# KiCad board SparkFun_BMV080_panelized.kicad_pcb (continued)
## Routing (per net, layer and track width the routed paths; a pad name or vN(x,y) marks a point on that pad's centre or on a via; arc(x,y) is an arc through that point) (continued)
Net-(JP1-A): length 488.6
  Top w0.2: v1(113.67,117.78) R1#42.2 ; v1(113.67,104.58) R1#25.2 ; v1(138.3,91.38) R1#46.2 ; v1(64.41,117.78) R1#22.2 ; v1(39.78,64.98) R1#5.2 ; v1(64.41,51.78) R1#20.2 ; v1(39.78,12.19) R1#15.2 ; v1(113.67,78.19) R1.2 ; v1(15.15,64.98) R1#51.2 ; v1(89.04,104.58) R1#33.2 ; v1(15.15,38.58) R1#53.2 ; v1(113.67,51.78) R1#35.2 ; v1(138.3,51.78) R1#43.2 ; v1(15.15,51.78) R1#48.2 ; v1(15.15,78.19) R1#49.2 ; v1(64.41,64.98) R1#3.2 ; v1(113.67,12.19) R1#39.2 ; v1(39.78,38.58) R1#12.2 ; v1(89.04,117.78) R1#27.2 ; v1(64.41,91.38) R1#6.2 ; v1(64.41,78.19) R1#21.2 ; v1(113.67,91.38) R1#36.2 ; v1(15.15,25.39) R1#50.2 ; v1(89.04,38.58) R1#7.2 ; v1(138.3,64.98) R1#45.2 ; v1(15.15,104.58) R1#8.2 ; v1(89.04,51.78) R1#32.2 ; v1(15.15,12.19) R1#54.2 ; v1(138.3,38.58) R1#26.2 ; v1(138.3,117.78) R1#47.2 ; v1(39.78,25.39) R1#10.2 ; v1(39.78,78.19) R1#9.2 ; v1(89.04,12.19) R1#23.2 ; v1(64.41,25.39) R1#18.2 ; v1(15.15,91.38) R1#52.2 ; v1(89.04,64.98) R1#37.2 ; v1(39.78,104.58) R1#16.2 ; v1(113.67,64.98) R1#38.2 ; v1(138.3,12.19) R1#29.2 ; v1(113.67,38.58) R1#41.2 ; v1(64.41,104.58) R1#4.2 ; v1(39.78,51.78) R1#14.2 ; v1(15.15,117.78) R1#13.2 ; v1(64.41,12.19) R1#2.2 ; v1(89.04,91.38) R1#31.2 ; v1(138.3,25.39) R1#28.2 ; v1(89.04,25.39) R1#24.2 ; v1(39.78,117.78) R1#17.2 ; v1(39.78,91.38) R1#11.2 ; v1(138.3,104.58) R1#30.2 ; v1(138.3,78.19) R1#44.2 ; v1(113.67,25.39) R1#34.2 ; v1(89.04,78.19) R1#40.2 ; v1(64.41,38.58) R1#19.2
  Top w0.203: v1(17.45,52.04) 17.46,52.04 18.25,52.84 18.25,54.5 v1(18.25,54.51) ; v1(92.14,67.71) 92.14,67.7 92.14,66.03 91.35,65.24 v1(91.34,65.24) ; v1(42.08,118.04) 42.09,118.04 42.88,118.83 42.88,120.5 v1(42.88,120.51) ; v1(141.4,94.11) 141.4,94.1 141.4,92.44 140.61,91.64 v1(140.6,91.64) ; v1(91.34,104.84) 91.35,104.84 92.14,105.64 92.14,107.3 v1(92.14,107.31) ; v1(42.08,52.04) 42.09,52.04 42.88,52.84 42.88,54.5 v1(42.88,54.51) ; v1(141.4,41.31) 141.4,41.3 141.4,39.64 140.61,38.84 v1(140.6,38.84) ; v1(66.71,38.84) 66.72,38.84 67.51,39.64 67.51,41.3 v1(67.51,41.31) ; v1(116.77,94.11) 116.77,94.1 116.77,92.44 115.98,91.64 v1(115.97,91.64) ; v1(17.45,118.04) 17.46,118.04 18.25,118.83 18.25,120.5 v1(18.25,120.51) ; v1(91.34,38.84) 91.35,38.84 92.14,39.64 92.14,41.3 v1(92.14,41.31) ; v1(42.88,41.31) 42.88,41.3 42.88,39.64 42.09,38.84 v1(42.08,38.84) ; v1(141.4,120.51) 141.4,120.5 141.4,118.83 140.61,118.04 v1(140.6,118.04) ; v1(141.4,28.11) 141.4,28.1 141.4,26.44 140.61,25.64 v1(140.6,25.64) ; v1(66.71,52.04) 66.72,52.04 67.51,52.84 67.51,54.5 v1(67.51,54.51) ; v1(42.88,67.71) 42.88,67.7 42.88,66.03 42.09,65.24 v1(42.08,65.24) ; v1(115.97,78.44) 115.98,78.44 116.77,79.23 116.77,80.9 v1(116.77,80.91) ; v1(66.71,12.44) 66.72,12.44 67.51,13.23 67.51,14.9 v1(67.51,14.91) ; v1(140.6,78.44) 140.61,78.44 141.4,79.23 141.4,80.9 v1(141.4,80.91) ; v1(116.77,41.31) 116.77,41.3 116.77,39.64 115.98,38.84 v1(115.97,38.84) ; v1(17.45,65.24) 17.46,65.24 18.25,66.03 18.25,67.7 v1(18.25,67.71) ; v1(91.34,52.04) 91.35,52.04 92.14,52.84 92.14,54.5 v1(92.14,54.51) ; v1(42.08,25.64) 42.09,25.64 42.88,26.44 42.88,28.1 v1(42.88,28.11) ; v1(66.71,91.64) 66.72,91.64 67.51,92.44 67.51,94.1 v1(67.51,94.11) ; v1(115.97,25.64) 115.98,25.64 116.77,26.44 116.77,28.1 v1(116.77,28.11) ; v1(116.77,107.31) 116.77,107.3 116.77,105.64 115.98,104.84 v1(115.97,104.84) ; v1(140.6,12.44) 140.61,12.44 141.4,13.23 141.4,14.9 v1(141.4,14.91) ; v1(67.51,107.31) 67.51,107.3 67.51,105.64 66.72,104.84 v1(66.71,104.84) ; v1(66.71,65.24) 66.72,65.24 67.51,66.03 67.51,67.7 v1(67.51,67.71) ; v1(42.88,107.31) 42.88,107.3 42.88,105.64 42.09,104.84 v1(42.08,104.84) ; v1(116.77,120.51) 116.77,120.5 116.77,118.83 115.98,118.04 v1(115.97,118.04) ; v1(92.14,28.11) 92.14,28.1 92.14,26.44 91.35,25.64 v1(91.34,25.64) ; v1(17.45,91.64) 17.46,91.64 18.25,92.44 18.25,94.1 v1(18.25,94.11) ; v1(92.14,80.91) 92.14,80.9 92.14,79.23 91.35,78.44 v1(91.34,78.44) ; v1(140.6,104.84) 140.61,104.84 141.4,105.64 141.4,107.3 v1(141.4,107.31) ; v1(67.51,120.51) 67.51,120.5 67.51,118.83 66.72,118.04 v1(66.71,118.04) ; v1(92.14,120.51) 92.14,120.5 92.14,118.83 91.35,118.04 v1(91.34,118.04) ; v1(140.6,52.04) 140.61,52.04 141.4,52.84 141.4,54.5 v1(141.4,54.51) ; v1(17.45,104.84) 17.46,104.84 18.25,105.64 18.25,107.3 v1(18.25,107.31) ; v1(67.51,80.91) 67.51,80.9 67.51,79.23 66.72,78.44 v1(66.71,78.44) ; v1(18.25,41.31) 18.25,41.3 18.25,39.64 17.46,38.84 v1(17.45,38.84) ; v1(92.14,14.91) 92.14,14.9 92.14,13.23 91.35,12.44 v1(91.34,12.44) ; v1(18.25,28.11) 18.25,28.1 18.25,26.44 17.46,25.64 v1(17.45,25.64) ; v1(66.71,25.64) 66.72,25.64 67.51,26.44 67.51,28.1 v1(67.51,28.11) ; v1(116.77,14.91) 116.77,14.9 116.77,13.23 115.98,12.44 v1(115.97,12.44) ; v1(42.08,12.44) 42.09,12.44 42.88,13.23 42.88,14.9 v1(42.88,14.91) ; v1(116.77,54.51) 116.77,54.5 116.77,52.84 115.98,52.04 v1(115.97,52.04) ; v1(92.14,94.11) 92.14,94.1 92.14,92.44 91.35,91.64 v1(91.34,91.64) ; v1(115.97,65.24) 115.98,65.24 116.77,66.03 116.77,67.7 v1(116.77,67.71) ; v1(140.6,65.24) 140.61,65.24 141.4,66.03 141.4,67.7 v1(141.4,67.71) ; v1(42.88,80.91) 42.88,80.9 42.88,79.23 42.09,78.44 v1(42.08,78.44) ; v1(18.25,80.91) 18.25,80.9 18.25,79.23 17.46,78.44 v1(17.45,78.44) ; v1(17.45,12.44) 17.46,12.44 18.25,13.23 18.25,14.9 v1(18.25,14.91) ; v1(42.08,91.64) 42.09,91.64 42.88,92.44 42.88,94.1 v1(42.88,94.11)
  Bottom w0.2: 41.32,91.43 39.83,91.43 v1(39.78,91.38) ; v1(89.04,117.78) 89.08,117.83 90.58,117.83 ; 139.84,104.63 138.35,104.63 v1(138.3,104.58) ; 65.95,117.83 64.45,117.83 v1(64.41,117.78) ; 16.69,104.63 15.2,104.63 v1(15.15,104.58) ; 139.84,51.83 138.35,51.83 v1(138.3,51.78) ; 90.58,65.03 89.08,65.03 v1(89.04,64.98) ; 65.95,25.43 64.45,25.43 v1(64.41,25.39) ; 16.69,65.03 15.2,65.03 v1(15.15,64.98) ; v1(64.41,38.58) 64.45,38.63 65.95,38.63 ; v1(113.67,64.98) 113.72,65.03 115.21,65.03 ; v1(39.78,117.78) 39.83,117.83 41.32,117.83 ; 41.32,78.23 39.83,78.23 v1(39.78,78.19) ; 90.58,104.63 89.08,104.63 v1(89.04,104.58) ; v1(15.15,78.19) 15.2,78.23 16.69,78.23 ; v1(15.15,12.19) 15.2,12.23 16.69,12.23 ; v1(89.04,78.19) 89.08,78.23 90.58,78.23 ; v1(89.04,38.58) 89.08,38.63 90.58,38.63 ; 115.21,51.83 113.72,51.83 v1(113.67,51.78) ; v1(113.67,78.19) 113.72,78.23 115.21,78.23 ; v1(64.41,91.38) 64.45,91.43 65.95,91.43 ; 90.58,51.83 89.08,51.83 v1(89.04,51.78) ; 115.21,38.63 113.72,38.63 v1(113.67,38.58) ; v1(39.78,51.78) 39.83,51.83 41.32,51.83 ; 115.21,91.43 113.72,91.43 v1(113.67,91.38) ; 139.84,91.43 138.35,91.43 v1(138.3,91.38) ; v1(39.78,38.58) 39.83,38.63 41.32,38.63 ; v1(113.67,25.39) 113.72,25.43 115.21,25.43 ; v1(89.04,12.19) 89.08,12.23 90.58,12.23 ; v1(138.3,117.78) 138.35,117.83 139.84,117.83 ; v1(39.78,104.58) 39.83,104.63 41.32,104.63 ; v1(138.3,78.19) 138.35,78.23 139.84,78.23 ; 65.95,78.23 64.45,78.23 v1(64.41,78.19) ; 41.32,65.03 39.83,65.03 v1(39.78,64.98) ; 16.69,117.83 15.2,117.83 v1(15.15,117.78) ; 41.32,12.23 39.83,12.23 v1(39.78,12.19) ; 16.69,25.43 15.2,25.43 v1(15.15,25.39) ; v1(64.41,51.78) 64.45,51.83 65.95,51.83 ; 139.84,25.43 138.35,25.43 v1(138.3,25.39) ; v1(15.15,38.58) 15.2,38.63 16.69,38.63 ; v1(138.3,12.19) 138.35,12.23 139.84,12.23 ; 115.21,12.23 113.72,12.23 v1(113.67,12.19) ; 65.95,104.63 64.45,104.63 v1(64.41,104.58) ; 65.95,12.23 64.45,12.23 v1(64.41,12.19) ; 41.32,25.43 39.83,25.43 v1(39.78,25.39) ; v1(15.15,51.78) 15.2,51.83 16.69,51.83 ; v1(113.67,104.58) 113.72,104.63 115.21,104.63 ; v1(138.3,38.58) 138.35,38.63 139.84,38.63 ; v1(138.3,64.98) 138.35,65.03 139.84,65.03 ; 65.95,65.03 64.45,65.03 v1(64.41,64.98) ; v1(15.15,91.38) 15.2,91.43 16.69,91.43 ; v1(89.04,91.38) 89.08,91.43 90.58,91.43 ; v1(89.04,25.39) 89.08,25.43 90.58,25.43 ; v1(113.67,117.78) 113.72,117.83 115.21,117.83
  Bottom w0.203: v1(140.6,52.04) 140.39,51.83 139.84,51.83 ; 142.83,96.57 142.83,95.76 141.78,94.71 141.57,94.71 141.4,94.54 v1(141.4,94.11) ; 16.69,51.83 17.24,51.83 v1(17.45,52.04) ; 19.68,56.97 19.68,56.16 18.63,55.11 18.42,55.11 18.25,54.94 v1(18.25,54.51) ; v1(18.25,41.31) 18.25,41.74 18.42,41.91 18.63,41.91 19.68,42.96 19.68,43.77 ; v1(140.6,91.64) 140.39,91.43 139.84,91.43 ; 19.68,122.97 19.68,122.16 18.63,121.11 18.42,121.11 18.25,120.94 v1(18.25,120.51) ; v1(18.25,107.31) 18.25,107.74 18.42,107.91 18.63,107.91 19.68,108.96 19.68,109.77 ; 41.32,25.43 41.87,25.43 v1(42.08,25.64) ; v1(42.88,94.11) 42.88,94.54 43.05,94.71 43.26,94.71 44.31,95.76 44.31,96.57 ; v1(66.71,91.64) 66.5,91.43 65.95,91.43 ; 115.21,91.43 115.76,91.43 v1(115.97,91.64) ; v1(42.88,28.11) 42.88,28.54 43.05,28.71 43.26,28.71 44.31,29.76 44.31,30.57 ; 115.21,38.63 115.76,38.63 v1(115.97,38.84) ; 65.95,12.23 66.5,12.23 v1(66.71,12.44) ; v1(42.88,41.31) 42.88,41.74 43.05,41.91 43.26,41.91 44.31,42.96 44.31,43.77 ; v1(92.14,54.51) 92.14,54.94 92.31,55.11 92.52,55.11 93.57,56.16 93.57,56.97 ; 139.84,104.63 140.39,104.63 v1(140.6,104.84) ; v1(91.34,118.04) 91.13,117.83 90.58,117.83 ; 142.83,17.37 142.83,16.56 141.78,15.51 141.57,15.51 141.4,15.34 v1(141.4,14.91) ; 65.95,38.63 66.5,38.63 v1(66.71,38.84) ; v1(67.51,94.11) 67.51,94.54 67.68,94.71 67.89,94.71 68.94,95.76 68.94,96.57 ; 65.95,104.63 66.5,104.63 v1(66.71,104.84) ; 139.84,78.23 140.39,78.23 v1(140.6,78.44) ; v1(66.71,65.24) 66.5,65.03 65.95,65.03 ; v1(116.77,120.51) 116.77,120.94 116.94,121.11 117.15,121.11 118.2,122.16 118.2,122.97 ; 118.2,56.97 118.2,56.16 117.15,55.11 116.94,55.11 116.77,54.94 v1(116.77,54.51) ; v1(42.08,91.64) 41.87,91.43 41.32,91.43 ; v1(42.08,52.04) 41.87,51.83 41.32,51.83 ; 93.57,70.17 93.57,69.36 92.52,68.31 92.31,68.31 92.14,68.14 v1(92.14,67.71) ; v1(42.88,120.51) 42.88,120.94 43.05,121.11 43.26,121.11 44.31,122.16 44.31,122.97 ; v1(140.6,38.84) 140.39,38.63 139.84,38.63 ; 19.68,83.37 19.68,82.56 18.63,81.51 18.42,81.51 18.25,81.34 v1(18.25,80.91) ; v1(141.4,80.91) 141.4,81.34 141.57,81.51 141.78,81.51 142.83,82.56 142.83,83.37 ; v1(91.34,65.24) 91.13,65.03 90.58,65.03 ; 118.2,70.17 118.2,69.36 117.15,68.31 116.94,68.31 116.77,68.14 v1(116.77,67.71) ; 139.84,12.23 140.39,12.23 v1(140.6,12.44) ; 142.83,30.57 142.83,29.76 141.78,28.71 141.57,28.71 141.4,28.54 v1(141.4,28.11) ; v1(17.45,12.44) 17.24,12.23 16.69,12.23 ; v1(17.45,118.04) 17.24,117.83 16.69,117.83 ; v1(67.51,14.91) 67.51,15.34 67.68,15.51 67.89,15.51 68.94,16.56 68.94,17.37 ; 90.58,91.43 91.13,91.43 v1(91.34,91.64) ; 41.32,117.83 41.87,117.83 v1(42.08,118.04) ; v1(66.71,78.44) 66.5,78.23 65.95,78.23 ; 16.69,65.03 17.24,65.03 v1(17.45,65.24) ; 93.57,109.77 93.57,108.96 92.52,107.91 92.31,107.91 92.14,107.74 v1(92.14,107.31) ; v1(67.51,28.11) 67.51,28.54 67.68,28.71 67.89,28.71 68.94,29.76 68.94,30.57 ; v1(17.45,91.64) 17.24,91.43 16.69,91.43 ; v1(67.51,107.31) 67.51,107.74 67.68,107.91 67.89,107.91 68.94,108.96 68.94,109.77 ; 90.58,104.63 91.13,104.63 v1(91.34,104.84) ; v1(18.25,28.11) 18.25,28.54 18.42,28.71 18.63,28.71 19.68,29.76 19.68,30.57 ; v1(116.77,80.91) 116.77,81.34 116.94,81.51 117.15,81.51 118.2,82.56 118.2,83.37 ; v1(92.14,14.91) 92.14,15.34 92.31,15.51 92.52,15.51 93.57,16.56 93.57,17.37 ; v1(17.45,104.84) 17.24,104.63 16.69,104.63 ; 93.57,30.57 93.57,29.76 92.52,28.71 92.31,28.71 92.14,28.54 v1(92.14,28.11) ; 118.2,30.57 118.2,29.76 117.15,28.71 116.94,28.71 116.77,28.54 v1(116.77,28.11) ; v1(42.08,78.44) 41.87,78.23 41.32,78.23 ; v1(42.08,65.24) 41.87,65.03 41.32,65.03 ; v1(67.51,67.71) 67.51,68.14 67.68,68.31 67.89,68.31 68.94,69.36 68.94,70.17 ; v1(42.88,67.71) 42.88,68.14 43.05,68.31 43.26,68.31 44.31,69.36 44.31,70.17 ; 118.2,17.37 118.2,16.56 117.15,15.51 116.94,15.51 116.77,15.34 v1(116.77,14.91) ; 68.94,43.77 68.94,42.96 67.89,41.91 67.68,41.91 67.51,41.74 v1(67.51,41.31) ; v1(115.97,52.04) 115.76,51.83 115.21,51.83 ; 139.84,65.03 140.39,65.03 v1(140.6,65.24) ; 65.95,117.83 66.5,117.83 v1(66.71,118.04) ; v1(141.4,54.51) 141.4,54.94 141.57,55.11 141.78,55.11 142.83,56.16 142.83,56.97 ; 142.83,43.77 142.83,42.96 141.78,41.91 141.57,41.91 141.4,41.74 v1(141.4,41.31) ; v1(92.14,94.11) 92.14,94.54 92.31,94.71 92.52,94.71 93.57,95.76 93.57,96.57 ; v1(42.88,107.31) 42.88,107.74 43.05,107.91 43.26,107.91 44.31,108.96 44.31,109.77 ; v1(42.08,38.84) 41.87,38.63 41.32,38.63 ; 44.31,83.37 44.31,82.56 43.26,81.51 43.05,81.51 42.88,81.34 v1(42.88,80.91) ; v1(67.51,120.51) 67.51,120.94 67.68,121.11 67.89,121.11 68.94,122.16 68.94,122.97 ; v1(91.34,78.44) 91.13,78.23 90.58,78.23 ; 118.2,96.57 118.2,95.76 117.15,94.71 116.94,94.71 116.77,94.54 v1(116.77,94.11) ; 19.68,70.17 19.68,69.36 18.63,68.31 18.42,68.31 18.25,68.14 v1(18.25,67.71) ; 90.58,51.83 91.13,51.83 v1(91.34,52.04) ; v1(141.4,67.71) 141.4,68.14 141.57,68.31 141.78,68.31 142.83,69.36 142.83,70.17 ; v1(116.77,41.31) 116.77,41.74 116.94,41.91 117.15,41.91 118.2,42.96 118.2,43.77 ; 90.58,25.43 91.13,25.43 v1(91.34,25.64) ; v1(141.4,107.31) 141.4,107.74 141.57,107.91 141.78,107.91 142.83,108.96 142.83,109.77 ; 93.57,122.97 93.57,122.16 92.52,121.11 92.31,121.11 92.14,120.94 v1(92.14,120.51) ; 115.21,104.63 115.76,104.63 v1(115.97,104.84) ; v1(141.4,120.51) 141.4,120.94 141.57,121.11 141.78,121.11 142.83,122.16 142.83,122.97 ; 41.32,104.63 41.87,104.63 v1(42.08,104.84) ; 65.95,51.83 66.5,51.83 v1(66.71,52.04) ; 16.69,78.23 17.24,78.23 v1(17.45,78.44) ; 16.69,38.63 17.24,38.63 v1(17.45,38.84) ; v1(42.88,14.91) 42.88,15.34 43.05,15.51 43.26,15.51 44.31,16.56 44.31,17.37 ; v1(115.97,118.04) 115.76,117.83 115.21,117.83 ; 41.32,12.23 41.87,12.23 v1(42.08,12.44) ; 118.2,109.77 118.2,108.96 117.15,107.91 116.94,107.91 116.77,107.74 v1(116.77,107.31) ; 93.57,83.37 93.57,82.56 92.52,81.51 92.31,81.51 92.14,81.34 v1(92.14,80.91) ; 115.21,65.03 115.76,65.03 v1(115.97,65.24) ; 93.57,43.77 93.57,42.96 92.52,41.91 92.31,41.91 92.14,41.74 v1(92.14,41.31) ; v1(91.34,38.84) 91.13,38.63 90.58,38.63 ; v1(66.71,25.64) 66.5,25.43 65.95,25.43 ; 68.94,56.97 68.94,56.16 67.89,55.11 67.68,55.11 67.51,54.94 v1(67.51,54.51) ; v1(18.25,94.11) 18.25,94.54 18.42,94.71 18.63,94.71 19.68,95.76 19.68,96.57 ; 68.94,83.37 68.94,82.56 67.89,81.51 67.68,81.51 67.51,81.34 v1(67.51,80.91) ; v1(17.45,25.64) 17.24,25.43 16.69,25.43 ; v1(91.34,12.44) 91.13,12.23 90.58,12.23 ; 115.21,12.23 115.76,12.23 v1(115.97,12.44) ; 19.68,17.37 19.68,16.56 18.63,15.51 18.42,15.51 18.25,15.34 v1(18.25,14.91) ; v1(42.88,54.51) 42.88,54.94 43.05,55.11 43.26,55.11 44.31,56.16 44.31,56.97 ; v1(115.97,25.64) 115.76,25.43 115.21,25.43 ; v1(140.6,118.04) 140.39,117.83 139.84,117.83 ; v1(115.97,78.44) 115.76,78.23 115.21,78.23 ; 139.84,25.43 140.39,25.43 v1(140.6,25.64)
Net-(JP1-C): length 491.3
  Top w0.203: U1#48.7 37.7,68.54 39.43,70.27 42.14,70.27 v1(43.26,69.16) ; v1(141.78,121.96) 140.66,123.07 137.95,123.07 136.22,121.34 U1#20.7 ; v1(141.78,55.96) 140.66,57.07 137.95,57.07 136.22,55.34 U1#24.7 ; U1#51.7 37.7,121.34 39.43,123.07 42.14,123.07 v1(43.26,121.96) ; U1#23.7 136.22,42.14 137.95,43.87 140.66,43.87 v1(141.78,42.76) ; U1#45.7 62.33,94.94 64.06,96.67 66.77,96.67 v1(67.89,95.56) ; U1#50.7 37.7,94.94 39.43,96.67 42.14,96.67 v1(43.26,95.56) ; v1(92.52,121.96) 91.4,123.07 88.69,123.07 86.96,121.34 U1#11.7 ; U1#31.7 13.07,68.54 14.8,70.27 17.51,70.27 v1(18.63,69.16) ; U1#26.7 136.22,28.94 137.95,30.67 140.66,30.67 v1(141.78,29.56) ; v1(92.52,29.56) 91.4,30.67 88.69,30.67 86.96,28.94 U1#4.7 ; U1#27.7 136.22,94.94 137.95,96.67 140.66,96.67 v1(141.78,95.56) ; U1#8.7 62.33,121.34 64.06,123.07 66.77,123.07 v1(67.89,121.96) ; v1(18.63,108.76) 17.51,109.87 14.8,109.87 13.07,108.14 U1#37.7 ; 110.25,94.94 111.59,94.94 113.32,96.67 116.03,96.67 v1(117.15,95.56) ; v1(67.89,29.56) 66.77,30.67 64.06,30.67 62.33,28.94 U1#38.7 ; v1(43.26,55.96) 42.14,57.07 39.43,57.07 37.7,55.34 U1#44.7 ; v1(43.26,16.36) 42.14,17.47 39.43,17.47 37.7,15.74 U1#35.7 ; 110.25,121.34 111.59,121.34 113.32,123.07 116.03,123.07 v1(117.15,121.96) ; v1(18.63,16.36) 17.51,17.47 14.8,17.47 13.07,15.74 U1#54.7 ; U1#47.7 13.07,121.34 14.8,123.07 17.51,123.07 v1(18.63,121.96) ; v1(43.26,108.76) 42.14,109.87 39.43,109.87 37.7,108.14 U1#53.7 ; U1#6.7 86.96,81.74 88.69,83.47 91.4,83.47 v1(92.52,82.36) ; U1#16.7 86.96,42.14 88.69,43.87 91.4,43.87 v1(92.52,42.76) ; U1#17.7 86.96,94.94 88.69,96.67 91.4,96.67 v1(92.52,95.56) ; v1(43.26,82.36) 42.14,83.47 39.43,83.47 37.7,81.74 U1#49.7 ; U1#29.7 13.07,42.14 14.8,43.87 17.51,43.87 v1(18.63,42.76) ; v1(18.63,29.56) 17.51,30.67 14.8,30.67 13.07,28.94 U1#34.7 ; v1(117.15,82.36) 116.03,83.47 113.32,83.47 111.59,81.74 110.25,81.74 ; U1#25.7 136.22,15.74 137.95,17.47 140.66,17.47 v1(141.78,16.36) ; v1(92.52,16.36) 91.4,17.47 88.69,17.47 86.96,15.74 U1#9.7 ; U1#30.7 13.07,55.34 14.8,57.07 17.51,57.07 v1(18.63,55.96) ; U1#5.7 86.96,55.34 88.69,57.07 91.4,57.07 v1(92.52,55.96) ; v1(141.78,108.76) 140.66,109.87 137.95,109.87 136.22,108.14 U1#21.7 ; v1(117.15,69.16) 116.03,70.27 113.32,70.27 111.59,68.54 110.25,68.54 ; v1(92.52,108.76) 91.4,109.87 88.69,109.87 86.96,108.14 U1#10.7 ; v1(67.89,55.96) 66.77,57.07 64.06,57.07 62.33,55.34 U1#40.7 ; v1(117.15,29.56) 116.03,30.67 113.32,30.67 111.59,28.94 110.25,28.94 ; U1#22.7 136.22,68.54 137.95,70.27 140.66,70.27 v1(141.78,69.16) ; v1(18.63,95.56) 17.51,96.67 14.8,96.67 13.07,94.94 U1#33.7 ; U1#28.7 136.22,81.74 137.95,83.47 140.66,83.47 v1(141.78,82.36) ; v1(117.15,42.76) 116.03,43.87 113.32,43.87 111.59,42.14 110.25,42.14 ; v1(117.15,108.76) 116.03,109.87 113.32,109.87 111.59,108.14 110.25,108.14 ; U1#41.7 62.33,81.74 64.06,83.47 66.77,83.47 v1(67.89,82.36) ; U1#46.7 37.7,42.14 39.43,43.87 42.14,43.87 v1(43.26,42.76) ; v1(43.26,29.56) 42.14,30.67 39.43,30.67 37.7,28.94 U1#36.7 ; v1(67.89,42.76) 66.77,43.87 64.06,43.87 62.33,42.14 U1#39.7 ; U1#32.7 13.07,81.74 14.8,83.47 17.51,83.47 v1(18.63,82.36) ; v1(117.15,55.96) 116.03,57.07 113.32,57.07 111.59,55.34 110.25,55.34 ; U1#7.7 86.96,68.54 88.69,70.27 91.4,70.27 v1(92.52,69.16) ; v1(67.89,16.36) 66.77,17.47 64.06,17.47 62.33,15.74 U1#52.7 ; U1#42.7 62.33,108.14 64.06,109.87 66.77,109.87 v1(67.89,108.76) ; v1(67.89,69.16) 66.77,70.27 64.06,70.27 62.33,68.54 U1#43.7 ; 110.25,15.74 111.59,15.74 113.32,17.47 116.03,17.47 v1(117.15,16.36)
  Bottom w0.203: v1(18.63,95.56) 18.64,95.57 18.64,96.57 ; v1(92.52,55.96) 92.53,55.97 92.53,56.97 ; v1(18.63,16.36) 18.64,16.37 18.64,17.37 ; 43.27,56.97 43.27,55.97 v1(43.26,55.96) ; v1(18.63,29.56) 18.64,29.57 18.64,30.57 ; 43.27,109.77 43.27,108.77 v1(43.26,108.76) ; v1(43.26,29.56) 43.27,29.57 43.27,30.57 ; 117.16,56.97 117.16,55.97 v1(117.15,55.96) ; v1(117.15,29.56) 117.16,29.57 117.16,30.57 ; v1(117.15,69.16) 117.16,69.17 117.16,70.17 ; v1(92.52,82.36) 92.53,82.37 92.53,83.37 ; 141.79,83.37 141.79,82.37 v1(141.78,82.36) ; 67.9,43.77 67.9,42.77 v1(67.89,42.76) ; 67.9,30.57 67.9,29.57 v1(67.89,29.56) ; v1(117.15,95.56) 117.16,95.57 117.16,96.57 ; v1(67.89,55.96) 67.9,55.97 67.9,56.97 ; v1(43.26,82.36) 43.27,82.37 43.27,83.37 ; 43.27,70.17 43.27,69.17 v1(43.26,69.16) ; 117.16,122.97 117.16,121.97 v1(117.15,121.96) ; v1(18.63,108.76) 18.64,108.77 18.64,109.77 ; 67.9,83.37 67.9,82.37 v1(67.89,82.36) ; 18.64,43.77 18.64,42.77 v1(18.63,42.76) ; 67.9,70.17 67.9,69.17 v1(67.89,69.16) ; v1(67.89,108.76) 67.9,108.77 67.9,109.77 ; v1(141.78,108.76) 141.79,108.77 141.79,109.77 ; v1(43.26,95.56) 43.27,95.57 43.27,96.57 ; v1(43.26,42.76) 43.27,42.77 43.27,43.77 ; v1(92.52,16.36) 92.53,16.37 92.53,17.37 ; v1(92.52,108.76) 92.53,108.77 92.53,109.77 ; 117.16,109.77 117.16,108.77 v1(117.15,108.76) ; 18.64,70.17 18.64,69.17 v1(18.63,69.16) ; 141.79,122.97 141.79,121.97 v1(141.78,121.96) ; v1(18.63,55.96) 18.64,55.97 18.64,56.97 ; 141.79,56.97 141.79,55.97 v1(141.78,55.96) ; v1(92.52,121.96) 92.53,121.97 92.53,122.97 ; 67.9,17.37 67.9,16.37 v1(67.89,16.36) ; v1(92.52,69.16) 92.53,69.17 92.53,70.17 ; 141.79,17.37 141.79,16.37 v1(141.78,16.36) ; v1(18.63,121.96) 18.64,121.97 18.64,122.97 ; 117.16,43.77 117.16,42.77 v1(117.15,42.76) ; 92.53,30.57 92.53,29.57 v1(92.52,29.56) ; 92.53,43.77 92.53,42.77 v1(92.52,42.76) ; 117.16,17.37 117.16,16.37 v1(117.15,16.36) ; v1(67.89,95.56) 67.9,95.57 67.9,96.57 ; 43.27,17.37 43.27,16.37 v1(43.26,16.36) ; v1(117.15,82.36) 117.16,82.37 117.16,83.37 ; v1(67.89,121.96) 67.9,121.97 67.9,122.97 ; 18.64,83.37 18.64,82.37 v1(18.63,82.36) ; 141.79,96.57 141.79,95.57 v1(141.78,95.56) ; v1(43.26,121.96) 43.27,121.97 43.27,122.97 ; 141.79,30.57 141.79,29.57 v1(141.78,29.56) ; 141.79,70.17 141.79,69.17 v1(141.78,69.16) ; v1(141.78,42.76) 141.79,42.77 141.79,43.77 ; 92.53,96.57 92.53,95.57 v1(92.52,95.56)
Net-(JP2-A): length 244.7
  Top w0.2: v1(112.16,11.03) 111.65,11.54 R2#40.2 ; v1(87.53,37.43) 87.02,37.94 R2#38.2 ; v1(136.79,90.23) 136.28,90.74 R2#48.2 ; v1(112.16,50.63) 111.65,51.14 R2#42.2 ; R2#21.2 62.39,37.94 v1(62.9,37.43) ; R2#36.2 87.02,24.74 v1(87.53,24.23) ; v1(112.16,103.43) 111.65,103.94 R2#26.2 ; R2#28.2 87.02,77.54 v1(87.53,77.03) ; v1(136.79,37.43) 136.28,37.94 R2#47.2 ; R2#2.2 37.76,37.94 v1(38.27,37.43) ; v1(13.64,116.63) 13.13,117.14 R2#13.2 ; v1(62.9,116.63) 62.39,117.14 R2#37.2 ; v1(13.64,90.23) 13.13,90.74 R2#16.2 ; v1(112.16,90.23) 111.65,90.74 R2#41.2 ; R2#15.2 37.76,11.54 v1(38.27,11.03) ; v1(13.64,50.63) 13.13,51.14 R2#10.2 ; v1(62.9,103.43) 62.39,103.94 R2#18.2 ; v1(62.9,50.63) 62.39,51.14 R2#23.2 ; R2#29.2 87.02,64.34 v1(87.53,63.83) ; v1(38.27,90.23) 37.76,90.74 R2#5.2 ; v1(38.27,50.63) 37.76,51.14 R2#8.2 ; R2#20.2 62.39,24.74 v1(62.9,24.23) ; R2#50.2 136.28,77.54 v1(136.79,77.03) ; v1(38.27,103.43) 37.76,103.94 R2#6.2 ; v1(136.79,50.63) 136.28,51.14 R2#52.2 ; R2#44.2 136.28,24.74 v1(136.79,24.23) ; v1(87.53,11.03) 87.02,11.54 R2#34.2 ; R2#49.2 111.65,117.14 v1(112.16,116.63) ; R2#30.2 87.02,117.14 v1(87.53,116.63) ; R2#53.2 136.28,64.34 v1(136.79,63.83) ; R2.2 13.13,103.94 v1(13.64,103.43) ; v1(136.79,103.43) 136.28,103.94 R2#51.2 ; v1(13.64,24.23) 13.13,24.74 R2#4.2 ; v1(87.53,90.23) 87.02,90.74 R2#27.2 ; R2#19.2 62.39,77.54 v1(62.9,77.03) ; R2#12.2 13.13,77.54 v1(13.64,77.03) ; v1(38.27,77.03) 37.76,77.54 R2#9.2 ; v1(38.27,116.63) 37.76,117.14 R2#7.2 ; v1(87.53,103.43) 87.02,103.94 R2#35.2 ; v1(38.27,24.23) 37.76,24.74 R2#17.2 ; R2#45.2 136.28,11.54 v1(136.79,11.03) ; v1(38.27,63.83) 37.76,64.34 R2#3.2 ; v1(62.9,63.83) 62.39,64.34 R2#24.2 ; R2#43.2 111.65,77.54 v1(112.16,77.03) ; v1(136.79,116.63) 136.28,117.14 R2#46.2 ; v1(13.64,37.43) 13.13,37.94 R2#14.2 ; v1(13.64,63.83) 13.13,64.34 R2#11.2 ; v1(87.53,50.63) 87.02,51.14 R2#39.2 ; R2#54.2 13.13,11.54 v1(13.64,11.03) ; v1(112.16,24.23) 111.65,24.74 R2#32.2 ; R2#33.2 111.65,37.94 v1(112.16,37.43) ; R2#22.2 62.39,11.54 v1(62.9,11.03) ; v1(112.16,63.83) 111.65,64.34 R2#31.2 ; v1(62.9,90.23) 62.39,90.74 R2#25.2
  Bottom w0.203: v1(38.27,11.03) 38.27,11.08 38.99,11.8 38.99,14.01 ; 38.99,106.41 38.99,104.2 38.27,103.48 v1(38.27,103.43) ; v1(13.64,103.43) 13.64,103.48 14.36,104.2 14.36,106.41 ; v1(112.16,103.43) 112.16,103.48 112.88,104.2 112.88,106.41 ; v1(112.16,116.63) 112.16,116.68 112.88,117.4 112.88,119.61 ; v1(112.16,11.03) 112.16,11.08 112.88,11.8 112.88,14.01 ; 63.62,14.01 63.62,11.8 62.9,11.08 v1(62.9,11.03) ; 137.51,119.61 137.51,117.4 136.79,116.68 v1(136.79,116.63) ; 112.88,80.01 112.88,77.8 112.16,77.08 v1(112.16,77.03) ; v1(136.79,90.23) 136.79,90.28 137.51,91 137.51,93.21 ; v1(87.53,63.83) 87.53,63.88 88.25,64.6 88.25,66.81 ; v1(136.79,37.43) 136.79,37.48 137.51,38.2 137.51,40.41 ; v1(13.64,24.23) 13.64,24.28 14.36,25 14.36,27.21 ; 14.36,80.01 14.36,77.8 13.64,77.08 v1(13.64,77.03) ; v1(112.16,24.23) 112.16,24.28 112.88,25 112.88,27.21 ; v1(136.79,11.03) 136.79,11.08 137.51,11.8 137.51,14.01 ; v1(62.9,63.83) 62.9,63.88 63.62,64.6 63.62,66.81 ; v1(87.53,103.43) 87.53,103.48 88.25,104.2 88.25,106.41 ; 63.62,119.61 63.62,117.4 62.9,116.68 v1(62.9,116.63) ; 38.99,66.81 38.99,64.6 38.27,63.88 v1(38.27,63.83) ; 88.25,80.01 88.25,77.8 87.53,77.08 v1(87.53,77.03) ; 137.51,27.21 137.51,25 136.79,24.28 v1(136.79,24.23) ; 38.99,119.61 38.99,117.4 38.27,116.68 v1(38.27,116.63) ; v1(87.53,24.23) 87.53,24.28 88.25,25 88.25,27.21 ; 63.62,53.61 63.62,51.4 62.9,50.68 v1(62.9,50.63) ; 38.99,80.01 38.99,77.8 38.27,77.08 v1(38.27,77.03) ; v1(136.79,103.43) 136.79,103.48 137.51,104.2 137.51,106.41 ; v1(13.64,37.43) 13.64,37.48 14.36,38.2 14.36,40.41 ; v1(38.27,90.23) 38.27,90.28 38.99,91 38.99,93.21 ; 112.88,93.21 112.88,91 112.16,90.28 v1(112.16,90.23) ; 112.88,66.81 112.88,64.6 112.16,63.88 v1(112.16,63.83) ; 137.51,53.61 137.51,51.4 136.79,50.68 v1(136.79,50.63) ; v1(87.53,11.03) 87.53,11.08 88.25,11.8 88.25,14.01 ; 63.62,106.41 63.62,104.2 62.9,103.48 v1(62.9,103.43) ; v1(13.64,63.83) 13.64,63.88 14.36,64.6 14.36,66.81 ; 88.25,40.41 88.25,38.2 87.53,37.48 v1(87.53,37.43) ; 63.62,27.21 63.62,25 62.9,24.28 v1(62.9,24.23) ; v1(136.79,77.03) 136.79,77.08 137.51,77.8 137.51,80.01 ; 38.99,27.21 38.99,25 38.27,24.28 v1(38.27,24.23) ; 14.36,93.21 14.36,91 13.64,90.28 v1(13.64,90.23) ; 14.36,53.61 14.36,51.4 13.64,50.68 v1(13.64,50.63) ; 112.88,40.41 112.88,38.2 112.16,37.48 v1(112.16,37.43) ; v1(112.16,50.63) 112.16,50.68 112.88,51.4 112.88,53.61 ; v1(62.9,90.23) 62.9,90.28 63.62,91 63.62,93.21 ; 88.25,119.61 88.25,117.4 87.53,116.68 v1(87.53,116.63) ; 63.62,80.01 63.62,77.8 62.9,77.08 v1(62.9,77.03) ; 38.99,53.61 38.99,51.4 38.27,50.68 v1(38.27,50.63) ; v1(87.53,50.63) 87.53,50.68 88.25,51.4 88.25,53.61 ; v1(87.53,90.23) 87.53,90.28 88.25,91 88.25,93.21 ; v1(13.64,11.03) 13.64,11.08 14.36,11.8 14.36,14.01 ; 14.36,119.61 14.36,117.4 13.64,116.68 v1(13.64,116.63) ; 38.99,40.41 38.99,38.2 38.27,37.48 v1(38.27,37.43) ; v1(62.9,37.43) 62.9,37.48 63.62,38.2 63.62,40.41 ; 137.51,66.81 137.51,64.6 136.79,63.88 v1(136.79,63.83)
Net-(JP3-A): length 403.3
  Top w0.2: R4#40.2 123.61,37.91 v1(123.76,37.76) ; v1(25.24,37.76) 25.09,37.91 R4#5.2 ; v1(123.76,64.16) 123.61,64.31 R4#24.2 ; R4#27.2 98.98,37.91 v1(99.13,37.76) ; v1(148.39,90.56) 148.24,90.71 R4#51.2 ; R4#29.2 74.35,103.91 v1(74.5,103.76) ; v1(123.76,24.56) 123.61,24.71 R4#22.2 ; v1(99.13,64.16) 98.98,64.31 R4#32.2 ; R4#23.2 98.98,117.11 v1(99.13,116.96) ; R4#7.2 25.09,90.71 v1(25.24,90.56) ; v1(74.5,90.56) 74.35,90.71 R4#28.2 ; v1(74.5,116.96) 74.35,117.11 R4#20.2 ; R4#47.2 148.24,77.51 v1(148.39,77.36) ; v1(25.24,24.56) 25.09,24.71 R4.2 ; R4#17.2 49.72,77.51 v1(49.87,77.36) ; v1(148.39,37.76) 148.24,37.91 R4#49.2 ; v1(99.13,11.36) 98.98,11.51 R4#36.2 ; v1(25.24,116.96) 25.09,117.11 R4#2.2 ; R4#44.2 148.24,64.31 v1(148.39,64.16) ; v1(148.39,103.76) 148.24,103.91 R4#45.2 ; v1(49.87,103.76) 49.72,103.91 R4#16.2 ; v1(49.87,37.76) 49.72,37.91 R4#4.2 ; R4#30.2 98.98,24.71 v1(99.13,24.56) ; v1(74.5,37.76) 74.35,37.91 R4#34.2 ; v1(25.24,11.36) 25.09,11.51 R4#54.2 ; R4#12.2 49.72,24.71 v1(49.87,24.56) ; v1(123.76,90.56) 123.61,90.71 R4#25.2 ; R4#33.2 74.35,51.11 v1(74.5,50.96) ; v1(99.13,77.36) 98.98,77.51 R4#38.2 ; v1(123.76,50.96) 123.61,51.11 R4#41.2 ; v1(123.76,103.76) 123.61,103.91 R4#46.2 ; v1(148.39,116.96) 148.24,117.11 R4#50.2 ; R4#15.2 74.35,11.51 v1(74.5,11.36) ; R4#53.2 148.24,51.11 v1(148.39,50.96) ; R4#42.2 123.61,77.51 v1(123.76,77.36) ; v1(123.76,116.96) 123.61,117.11 R4#48.2 ; R4#21.2 98.98,103.91 v1(99.13,103.76) ; v1(74.5,24.56) 74.35,24.71 R4#3.2 ; v1(74.5,77.36) 74.35,77.51 R4#37.2 ; R4#35.2 74.35,64.31 v1(74.5,64.16) ; R4#52.2 148.24,11.51 v1(148.39,11.36) ; R4#13.2 49.72,90.71 v1(49.87,90.56) ; v1(49.87,64.16) 49.72,64.31 R4#9.2 ; v1(123.76,11.36) 123.61,11.51 R4#39.2 ; R4#18.2 25.09,51.11 v1(25.24,50.96) ; v1(25.24,77.36) 25.09,77.51 R4#6.2 ; R4#11.2 25.09,103.91 v1(25.24,103.76) ; v1(49.87,50.96) 49.72,51.11 R4#19.2 ; R4#31.2 98.98,51.11 v1(99.13,50.96) ; v1(148.39,24.56) 148.24,24.71 R4#43.2 ; R4#26.2 98.98,90.71 v1(99.13,90.56) ; R4#10.2 25.09,64.31 v1(25.24,64.16) ; R4#14.2 49.72,117.11 v1(49.87,116.96) ; v1(49.87,11.36) 49.72,11.51 R4#8.2
  Bottom w0.2: v1(99.13,50.96) 99.53,51.36 103.86,51.36 ; 79.23,77.76 74.9,77.76 v1(74.5,77.36) ; 128.49,117.36 124.16,117.36 v1(123.76,116.96) ; v1(148.39,50.96) 148.79,51.36 153.12,51.36 ; v1(123.76,64.16) 124.16,64.56 128.49,64.56 ; 29.97,77.76 25.64,77.76 v1(25.24,77.36) ; 79.23,104.16 74.9,104.16 v1(74.5,103.76) ; 128.49,90.96 124.16,90.96 v1(123.76,90.56) ; 54.6,104.16 50.27,104.16 v1(49.87,103.76) ; 54.6,64.56 50.27,64.56 v1(49.87,64.16) ; v1(123.76,37.76) 124.16,38.16 128.49,38.16 ; 103.86,64.56 99.53,64.56 v1(99.13,64.16) ; v1(74.5,11.36) 74.9,11.76 79.23,11.76 ; 29.97,11.76 25.64,11.76 v1(25.24,11.36) ; v1(148.39,90.56) 148.79,90.96 153.12,90.96 ; 29.97,64.56 25.64,64.56 v1(25.24,64.16) ; v1(99.13,37.76) 99.53,38.16 103.86,38.16 ; v1(25.24,90.56) 25.64,90.96 29.97,90.96 ; v1(99.13,11.36) 99.53,11.76 103.86,11.76 ; v1(74.5,116.96) 74.9,117.36 79.23,117.36 ; v1(49.87,116.96) 50.27,117.36 54.6,117.36 ; v1(148.39,37.76) 148.79,38.16 153.12,38.16 ; 153.12,117.36 148.79,117.36 v1(148.39,116.96) ; v1(25.24,116.96) 25.64,117.36 29.97,117.36 ; 79.23,64.56 74.9,64.56 v1(74.5,64.16) ; v1(123.76,77.36) 124.16,77.76 128.49,77.76 ; v1(123.76,24.56) 124.16,24.96 128.49,24.96 ; 54.6,38.16 50.27,38.16 v1(49.87,37.76) ; v1(49.87,24.56) 50.27,24.96 54.6,24.96 ; 128.49,11.76 124.16,11.76 v1(123.76,11.36) ; 128.49,51.36 124.16,51.36 v1(123.76,50.96) ; v1(49.87,77.36) 50.27,77.76 54.6,77.76 ; 54.6,90.96 50.27,90.96 v1(49.87,90.56) ; v1(99.13,116.96) 99.53,117.36 103.86,117.36 ; 103.86,104.16 99.53,104.16 v1(99.13,103.76) ; 29.97,104.16 25.64,104.16 v1(25.24,103.76) ; v1(25.24,24.56) 25.64,24.96 29.97,24.96 ; v1(74.5,37.76) 74.9,38.16 79.23,38.16 ; v1(99.13,77.36) 99.53,77.76 103.86,77.76 ; v1(148.39,24.56) 148.79,24.96 153.12,24.96 ; v1(99.13,24.56) 99.53,24.96 103.86,24.96 ; v1(148.39,11.36) 148.79,11.76 153.12,11.76 ; 54.6,11.76 50.27,11.76 v1(49.87,11.36) ; 79.23,24.96 74.9,24.96 v1(74.5,24.56) ; v1(148.39,77.36) 148.79,77.76 153.12,77.76 ; v1(123.76,103.76) 124.16,104.16 128.49,104.16 ; v1(74.5,90.56) 74.9,90.96 79.23,90.96 ; v1(25.24,50.96) 25.64,51.36 29.97,51.36 ; v1(99.13,90.56) 99.53,90.96 103.86,90.96 ; 153.12,104.16 148.79,104.16 v1(148.39,103.76) ; v1(49.87,50.96) 50.27,51.36 54.6,51.36 ; 153.12,64.56 148.79,64.56 v1(148.39,64.16) ; v1(74.5,50.96) 74.9,51.36 79.23,51.36 ; 29.97,38.16 25.64,38.16 v1(25.24,37.76)
Net-(JP4-A): length 285.6
  Top w0.2: R5#46.2 118.77,40.76 v1(119.64,41.63) ; R5#48.2 118.77,93.56 v1(119.64,94.43) ; v1(70.38,15.23) 69.51,14.36 R5#18.2 ; R5#37.2 118.77,14.36 v1(119.64,15.23) ; R5#8.2 44.88,40.76 v1(45.75,41.63) ; v1(21.12,81.23) 20.25,80.36 R5#9.2 ; v1(144.27,54.83) 143.4,53.96 R5#43.2 ; v1(95.01,81.23) 94.14,80.36 R5#22.2 ; v1(95.01,28.43) 94.14,27.56 R5#31.2 ; R5#14.2 44.88,80.36 v1(45.75,81.23) ; R5#47.2 118.77,53.96 v1(119.64,54.83) ; R5#10.2 44.88,53.96 v1(45.75,54.83) ; v1(95.01,15.23) 94.14,14.36 R5#34.2 ; R5#51.2 143.4,67.16 v1(144.27,68.03) ; R5#12.2 44.88,67.16 v1(45.75,68.03) ; v1(70.38,120.83) 69.51,119.96 R5#29.2 ; R5#19.2 69.51,27.56 v1(70.38,28.43) ; v1(119.64,120.83) 118.77,119.96 R5#45.2 ; v1(70.38,107.63) 69.51,106.76 R5#30.2 ; R5#20.2 69.51,40.76 v1(70.38,41.63) ; v1(144.27,41.63) 143.4,40.76 R5#39.2 ; R5#21.2 94.14,40.76 v1(95.01,41.63) ; R5#15.2 20.25,93.56 v1(21.12,94.43) ; R5#33.2 94.14,93.56 v1(95.01,94.43) ; v1(70.38,81.23) 69.51,80.36 R5#28.2 ; R5#7.2 44.88,14.36 v1(45.75,15.23) ; v1(45.75,94.43) 44.88,93.56 R5#2.2 ; R5#24.2 118.77,27.56 v1(119.64,28.43) ; v1(45.75,28.43) 44.88,27.56 R5#16.2 ; R5#4.2 20.25,40.76 v1(21.12,41.63) ; R5#23.2 69.51,53.96 v1(70.38,54.83) ; v1(95.01,68.03) 94.14,67.16 R5#32.2 ; v1(95.01,54.83) 94.14,53.96 R5#27.2 ; R5#44.2 143.4,93.56 v1(144.27,94.43) ; R5#49.2 118.77,67.16 v1(119.64,68.03) ; v1(119.64,107.63) 118.77,106.76 R5#40.2 ; R5#11.2 20.25,53.96 v1(21.12,54.83) ; R5#35.2 94.14,106.76 v1(95.01,107.63) ; R5#52.2 143.4,106.76 v1(144.27,107.63) ; R5#41.2 118.77,80.36 v1(119.64,81.23) ; v1(144.27,120.83) 143.4,119.96 R5#53.2 ; v1(70.38,94.43) 69.51,93.56 R5#25.2 ; v1(21.12,68.03) 20.25,67.16 R5#13.2 ; v1(70.38,68.03) 69.51,67.16 R5#26.2 ; v1(21.12,15.23) 20.25,14.36 R5#54.2 ; R5#17.2 44.88,119.96 v1(45.75,120.83) ; v1(144.27,81.23) 143.4,80.36 R5#42.2 ; v1(144.27,15.23) 143.4,14.36 R5#38.2 ; v1(21.12,28.43) 20.25,27.56 R5#5.2 ; R5#36.2 94.14,119.96 v1(95.01,120.83) ; R5#3.2 20.25,106.76 v1(21.12,107.63) ; R5#50.2 143.4,27.56 v1(144.27,28.43) ; v1(21.12,120.83) 20.25,119.96 R5#6.2 ; R5.2 44.88,106.76 v1(45.75,107.63)
  Bottom w0.2: v1(119.64,68.03) 119.64,66.84 JP4#38.1 ; JP4#5.1 21.12,27.24 v1(21.12,28.43) ; JP4#52.1 144.27,40.44 v1(144.27,41.63) ; JP4#23.1 45.75,119.64 v1(45.75,120.83) ; v1(21.12,120.83) 21.12,119.64 JP4#10.1 ; v1(45.75,94.43) 45.75,93.24 JP4#13.1 ; v1(45.75,15.23) 45.75,14.04 JP4#3.1 ; JP4#4.1 21.12,93.24 v1(21.12,94.43) ; JP4#7.1 21.12,53.64 v1(21.12,54.83) ; JP4#26.1 70.38,119.64 v1(70.38,120.83) ; JP4#44.1 144.27,27.24 v1(144.27,28.43) ; JP4#47.1 95.01,93.24 v1(95.01,94.43) ; v1(95.01,41.63) 95.01,40.44 JP4#46.1 ; v1(119.64,41.63) 119.64,40.44 JP4#31.1 ; JP4#21.1 45.75,66.84 v1(45.75,68.03) ; JP4#36.1 95.01,80.04 v1(95.01,81.23) ; JP4#50.1 144.27,119.64 v1(144.27,120.83) ; JP4#42.1 119.64,27.24 v1(119.64,28.43) ; JP4#25.1 70.38,93.24 v1(70.38,94.43) ; v1(21.12,68.03) 21.12,66.84 JP4#8.1 ; JP4#30.1 95.01,119.64 v1(95.01,120.83) ; v1(95.01,68.03) 95.01,66.84 JP4#45.1 ; JP4#16.1 70.38,66.84 v1(70.38,68.03) ; v1(45.75,81.23) 45.75,80.04 JP4#19.1 ; v1(21.12,107.63) 21.12,106.44 JP4#9.1 ; v1(95.01,28.43) 95.01,27.24 JP4#12.1 ; JP4#40.1 119.64,53.64 v1(119.64,54.83) ; v1(21.12,41.63) 21.12,40.44 JP4#6.1 ; JP4#54.1 144.27,93.24 v1(144.27,94.43) ; JP4#49.1 144.27,53.64 v1(144.27,54.83) ; JP4#18.1 45.75,27.24 v1(45.75,28.43) ; v1(144.27,81.23) 144.27,80.04 JP4#48.1 ; v1(70.38,81.23) 70.38,80.04 JP4#17.1 ; v1(144.27,68.03) 144.27,66.84 JP4#53.1 ; JP4#20.1 45.75,40.44 v1(45.75,41.63) ; v1(95.01,107.63) 95.01,106.44 JP4#32.1 ; v1(21.12,81.23) 21.12,80.04 JP4#2.1 ; v1(144.27,107.63) 144.27,106.44 JP4#51.1 ; v1(45.75,107.63) 45.75,106.44 JP4#22.1 ; v1(119.64,120.83) 119.64,119.64 JP4#39.1 ; v1(70.38,107.63) 70.38,106.44 JP4#27.1 ; JP4#35.1 119.64,106.44 v1(119.64,107.63) ; v1(70.38,54.83) 70.38,53.64 JP4#11.1 ; v1(45.75,54.83) 45.75,53.64 JP4#28.1 ; JP4#33.1 119.64,80.04 v1(119.64,81.23) ; v1(21.12,15.23) 21.12,14.04 JP4.1 ; v1(119.64,15.23) 119.64,14.04 JP4#37.1 ; v1(70.38,15.23) 70.38,14.04 JP4#14.1 ; v1(95.01,54.83) 95.01,53.64 JP4#41.1 ; v1(70.38,28.43) 70.38,27.24 JP4#15.1 ; JP4#24.1 70.38,40.44 v1(70.38,41.63) ; JP4#34.1 119.64,93.24 v1(119.64,94.43) ; v1(95.01,15.23) 95.01,14.04 JP4#29.1 ; v1(144.27,15.23) 144.27,14.04 JP4#43.1
Net-(JP4-B): length 277.9
  Top w0.2: v1(142.18,107.45) 142.19,107.45 142.19,105.28 R3#52.2 ; R3#3.2 19.04,78.88 19.04,81.05 v1(19.03,81.05) ; v1(43.66,120.65) 43.67,120.65 43.67,118.48 R3#31.2 ; v1(43.66,15.05) 43.67,15.05 43.67,12.88 R3#6.2 ; v1(43.66,28.25) 43.67,28.25 43.67,26.08 R3.2 ; v1(43.66,67.85) 43.67,67.85 43.67,65.68 R3#5.2 ; R3#33.2 92.93,12.88 92.93,15.05 v1(92.92,15.05) ; R3#9.2 43.67,52.48 43.67,54.65 v1(43.66,54.65) ; v1(142.18,28.25) 142.19,28.25 142.19,26.08 R3#46.2 ; R3#51.2 142.19,65.68 142.19,67.85 v1(142.18,67.85) ; v1(92.92,81.05) 92.93,81.05 92.93,78.88 R3#24.2 ; R3#29.2 43.67,92.08 43.67,94.25 v1(43.66,94.25) ; v1(68.29,15.05) 68.3,15.05 68.3,12.88 R3#20.2 ; R3#18.2 92.93,118.48 92.93,120.65 v1(92.92,120.65) ; R3#8.2 19.04,92.08 19.04,94.25 v1(19.03,94.25) ; R3#27.2 68.3,65.68 68.3,67.85 v1(68.29,67.85) ; v1(68.29,120.65) 68.3,120.65 68.3,118.48 R3#32.2 ; v1(117.55,107.45) 117.56,107.45 117.56,105.28 R3#38.2 ; v1(19.03,107.45) 19.04,107.45 19.04,105.28 R3#10.2 ; v1(117.55,28.25) 117.56,28.25 117.56,26.08 R3#40.2 ; R3#49.2 117.56,12.88 117.56,15.05 v1(117.55,15.05) ; v1(68.29,41.45) 68.3,41.45 68.3,39.28 R3#26.2 ; v1(142.18,54.65) 142.19,54.65 142.19,52.48 R3#47.2 ; R3#25.2 68.3,26.08 68.3,28.25 v1(68.29,28.25) ; v1(19.03,41.45) 19.04,41.45 19.04,39.28 R3#13.2 ; R3#42.2 117.56,65.68 117.56,67.85 v1(117.55,67.85) ; R3#37.2 142.19,78.88 142.19,81.05 v1(142.18,81.05) ; v1(19.03,67.85) 19.04,67.85 19.04,65.68 R3#11.2 ; R3#48.2 142.19,92.08 142.19,94.25 v1(142.18,94.25) ; v1(92.92,67.85) 92.93,67.85 92.93,65.68 R3#23.2 ; v1(19.03,120.65) 19.04,120.65 19.04,118.48 R3#12.2 ; R3#45.2 117.56,118.48 117.56,120.65 v1(117.55,120.65) ; R3#4.2 19.04,52.48 19.04,54.65 v1(19.03,54.65) ; R3#50.2 117.56,39.28 117.56,41.45 v1(117.55,41.45) ; R3#44.2 117.56,78.88 117.56,81.05 v1(117.55,81.05) ; R3#21.2 68.3,52.48 68.3,54.65 v1(68.29,54.65) ; v1(117.55,54.65) 117.56,54.65 117.56,52.48 R3#43.2 ; v1(92.92,107.45) 92.93,107.45 92.93,105.28 R3#35.2 ; v1(92.92,28.25) 92.93,28.25 92.93,26.08 R3#16.2 ; R3#39.2 142.19,12.88 142.19,15.05 v1(142.18,15.05) ; R3#54.2 19.04,12.88 19.04,15.05 v1(19.03,15.05) ; R3#36.2 142.19,39.28 142.19,41.45 v1(142.18,41.45) ; R3#28.2 43.67,78.88 43.67,81.05 v1(43.66,81.05) ; R3#7.2 19.04,26.08 19.04,28.25 v1(19.03,28.25) ; R3#34.2 92.93,39.28 92.93,41.45 v1(92.92,41.45) ; R3#22.2 68.3,78.88 68.3,81.05 v1(68.29,81.05) ; v1(43.66,41.45) 43.67,41.45 43.67,39.28 R3#2.2 ; R3#41.2 117.56,92.08 117.56,94.25 v1(117.55,94.25) ; R3#19.2 92.93,52.48 92.93,54.65 v1(92.92,54.65) ; v1(68.29,94.25) 68.3,94.25 68.3,92.08 R3#14.2 ; R3#53.2 142.19,118.48 142.19,120.65 v1(142.18,120.65) ; v1(68.29,107.45) 68.3,107.45 68.3,105.28 R3#15.2 ; R3#17.2 92.93,92.08 92.93,94.25 v1(92.92,94.25) ; v1(43.66,107.45) 43.67,107.45 43.67,105.28 R3#30.2
  Bottom w0.2: v1(142.18,94.25) 142.21,94.23 JP4#54.3 ; JP4#5.3 19.06,28.23 v1(19.03,28.25) ; JP4#13.3 43.69,94.23 v1(43.66,94.25) ; v1(117.55,94.25) 117.58,94.23 JP4#34.3 ; JP4#11.3 68.32,54.63 v1(68.29,54.65) ; JP4#33.3 117.58,81.03 v1(117.55,81.05) ; v1(142.18,107.45) 142.21,107.43 JP4#51.3 ; JP4#29.3 92.95,15.03 v1(92.92,15.05) ; JP4#31.3 117.58,41.43 v1(117.55,41.45) ; JP4#21.3 43.69,67.83 v1(43.66,67.85) ; v1(92.92,28.25) 92.95,28.23 JP4#12.3 ; v1(43.66,41.45) 43.69,41.43 JP4#20.3 ; JP4#22.3 43.69,107.43 v1(43.66,107.45) ; JP4#32.3 92.95,107.43 v1(92.92,107.45) ; v1(142.18,120.65) 142.21,120.63 JP4#50.3 ; JP4#26.3 68.32,120.63 v1(68.29,120.65) ; JP4#47.3 92.95,94.23 v1(92.92,94.25) ; JP4#10.3 19.06,120.63 v1(19.03,120.65) ; v1(92.92,54.65) 92.95,54.63 JP4#41.3 ; v1(68.29,81.05) 68.32,81.03 JP4#17.3 ; v1(142.18,41.45) 142.21,41.43 JP4#52.3 ; JP4#53.3 142.21,67.83 v1(142.18,67.85) ; v1(19.03,81.05) 19.06,81.03 JP4#2.3 ; JP4#28.3 43.69,54.63 v1(43.66,54.65) ; v1(19.03,107.45) 19.06,107.43 JP4#9.3 ; v1(92.92,81.05) 92.95,81.03 JP4#36.3 ; JP4#14.3 68.32,15.03 v1(68.29,15.05) ; v1(92.92,41.45) 92.95,41.43 JP4#46.3 ; v1(117.55,120.65) 117.58,120.63 JP4#39.3 ; JP4#30.3 92.95,120.63 v1(92.92,120.65) ; v1(19.03,94.25) 19.06,94.23 JP4#4.3 ; JP4#3.3 43.69,15.03 v1(43.66,15.05) ; JP4#38.3 117.58,67.83 v1(117.55,67.85) ; v1(68.29,41.45) 68.32,41.43 JP4#24.3 ; v1(68.29,94.25) 68.32,94.23 JP4#25.3 ; JP4#6.3 19.06,41.43 v1(19.03,41.45) ; v1(68.29,107.45) 68.32,107.43 JP4#27.3 ; JP4#7.3 19.06,54.63 v1(19.03,54.65) ; v1(19.03,67.85) 19.06,67.83 JP4#8.3 ; JP4.3 19.06,15.03 v1(19.03,15.05) ; v1(117.55,15.05) 117.58,15.03 JP4#37.3 ; v1(142.18,15.05) 142.21,15.03 JP4#43.3 ; v1(43.66,120.65) 43.69,120.63 JP4#23.3 ; v1(43.66,28.25) 43.69,28.23 JP4#18.3 ; JP4#40.3 117.58,54.63 v1(117.55,54.65) ; v1(142.18,28.25) 142.21,28.23 JP4#44.3 ; v1(117.55,28.25) 117.58,28.23 JP4#42.3 ; JP4#49.3 142.21,54.63 v1(142.18,54.65) ; v1(68.29,28.25) 68.32,28.23 JP4#15.3 ; JP4#35.3 117.58,107.43 v1(117.55,107.45) ; JP4#45.3 92.95,67.83 v1(92.92,67.85) ; JP4#19.3 43.69,81.03 v1(43.66,81.05) ; v1(68.29,67.85) 68.32,67.83 JP4#16.3 ; JP4#48.3 142.21,81.03 v1(142.18,81.05)

## Copper pours and planes (outline as drawn; the poured copper is in the pictures)
GND on Top, Bottom: 6.85,20.05 6.85,32.75 30.98,32.75 30.98,20.05
GND on Top, Bottom: 105.37,99.25 105.37,111.95 129.5,111.95 129.5,99.25
GND on Top, Bottom: 80.74,72.85 80.74,85.55 104.87,85.55 104.87,72.85
GND on Top, Bottom: 105.37,46.45 105.37,59.15 129.5,59.15 129.5,46.45
GND on Top, Bottom: 6.85,99.25 6.85,111.95 30.98,111.95 30.98,99.25
GND on Top, Bottom: 130,6.85 130,19.55 154.13,19.55 154.13,6.85
GND on Top, Bottom: 105.37,20.05 105.37,32.75 129.5,32.75 129.5,20.05
GND on Top, Bottom: 6.85,86.05 6.85,98.75 30.98,98.75 30.98,86.05
GND on Top, Bottom: 130,112.45 130,125.15 154.13,125.15 154.13,112.45
GND on Top, Bottom: 6.85,112.45 6.85,125.15 30.98,125.15 30.98,112.45
GND on Top, Bottom: 56.11,20.05 56.11,32.75 80.24,32.75 80.24,20.05
GND on Top, Bottom: 80.74,6.85 80.74,19.55 104.87,19.55 104.87,6.85
GND on Top, Bottom: 56.11,112.45 56.11,125.15 80.24,125.15 80.24,112.45
GND on Top, Bottom: 130,86.05 130,98.75 154.13,98.75 154.13,86.05
GND on Top, Bottom: 80.74,86.05 80.74,98.75 104.87,98.75 104.87,86.05
GND on Top, Bottom: 56.11,99.25 56.11,111.95 80.24,111.95 80.24,99.25
GND on Top, Bottom: 31.48,72.85 31.48,85.55 55.61,85.55 55.61,72.85
GND on Top, Bottom: 80.74,59.65 80.74,72.35 104.87,72.35 104.87,59.65
GND on Top, Bottom: 130,46.45 130,59.15 154.13,59.15 154.13,46.45
GND on Top, Bottom: 6.85,33.25 6.85,45.95 30.98,45.95 30.98,33.25
GND on Top, Bottom: 31.48,86.05 31.48,98.75 55.61,98.75 55.61,86.05
GND on Top, Bottom: 31.48,46.45 31.48,59.15 55.61,59.15 55.61,46.45
GND on Top, Bottom: 80.74,99.25 80.74,111.95 104.87,111.95 104.87,99.25
GND on Top, Bottom: 105.37,72.85 105.37,85.55 129.5,85.55 129.5,72.85
GND on Top, Bottom: 130,59.65 130,72.35 154.13,72.35 154.13,59.65
GND on Top, Bottom: 105.37,112.45 105.37,125.15 129.5,125.15 129.5,112.45
GND on Top, Bottom: 105.37,59.65 105.37,72.35 129.5,72.35 129.5,59.65
GND on Top, Bottom: 80.74,20.05 80.74,32.75 104.87,32.75 104.87,20.05
GND on Top, Bottom: 105.37,6.85 105.37,19.55 129.5,19.55 129.5,6.85
GND on Top, Bottom: 56.11,46.45 56.11,59.15 80.24,59.15 80.24,46.45
GND on Top, Bottom: 105.37,33.25 105.37,45.95 129.5,45.95 129.5,33.25
GND on Top, Bottom: 130,99.25 130,111.95 154.13,111.95 154.13,99.25
GND on Top, Bottom: 105.37,86.05 105.37,98.75 129.5,98.75 129.5,86.05
GND on Top, Bottom: 31.48,6.85 31.48,19.55 55.61,19.55 55.61,6.85
GND on Top, Bottom: 56.11,59.65 56.11,72.35 80.24,72.35 80.24,59.65
GND on Top, Bottom: 56.11,33.25 56.11,45.95 80.24,45.95 80.24,33.25
GND on Top, Bottom: 130,33.25 130,45.95 154.13,45.95 154.13,33.25
GND on Top, Bottom: 31.48,59.65 31.48,72.35 55.61,72.35 55.61,59.65
GND on Top, Bottom: 56.11,72.85 56.11,85.55 80.24,85.55 80.24,72.85
GND on Top, Bottom: 130,72.85 130,85.55 154.13,85.55 154.13,72.85
GND on Top, Bottom: 80.74,46.45 80.74,59.15 104.87,59.15 104.87,46.45
GND on Top, Bottom: 56.11,86.05 56.11,98.75 80.24,98.75 80.24,86.05
GND on Top, Bottom: 31.48,33.25 31.48,45.95 55.61,45.95 55.61,33.25
GND on Top, Bottom: 6.85,6.85 6.85,19.55 30.98,19.55 30.98,6.85
GND on Top, Bottom: 31.48,20.05 31.48,32.75 55.61,32.75 55.61,20.05
GND on Top, Bottom: 130,20.05 130,32.75 154.13,32.75 154.13,20.05
GND on Top, Bottom: 80.74,33.25 80.74,45.95 104.87,45.95 104.87,33.25
GND on Top, Bottom: 6.85,46.45 6.85,59.15 30.98,59.15 30.98,46.45
GND on Top, Bottom: 56.11,6.85 56.11,19.55 80.24,19.55 80.24,6.85
GND on Top, Bottom: 80.74,112.45 80.74,125.15 104.87,125.15 104.87,112.45
GND on Top, Bottom: 31.48,99.25 31.48,111.95 55.61,111.95 55.61,99.25
GND on Top, Bottom: 6.85,72.85 6.85,85.55 30.98,85.55 30.98,72.85
GND on Top, Bottom: 6.85,59.65 6.85,72.35 30.98,72.35 30.98,59.65
GND on Top, Bottom: 31.48,112.45 31.48,125.15 55.61,125.15 55.61,112.45

## Text on the board
Bottom: v10
User.Comments: V-SCORE
F.Fab: Layers: 2 | Solder Mask: Red | Silkscreen Color: White | Thickness: 0.8mm | Finish: HASL Lead-free | Material: TG155 | Copper Weight: 1oz | Ordering Notes
F.Silkscreen: Panelized
